# Allegro board 038RT-9068CJK8E-A100_0921_1.brd (continued)
## Routing (per net, layer and track width the routed paths; a pad name or vN(x,y) marks a point on that pad's centre or on a via; arc(x,y) is an arc through that point) (continued)
  L03_SIGNAL w0.145: v1(428.89,258.91) 428.01,259.78 416.58,259.78 414.62,261.75 412.99,261.75 412.92,261.82
S3_SPI_SO: length 19.1
  L03_SIGNAL w0.102: v1(410.1,264.62) 410.5,264.22 412.92,264.22
  L03_SIGNAL w0.145: 412.92,264.22 428.65,264.22 v1(428.89,263.99)
S3_SPI_VDDIO:
  vias: v1(394.65,247.71) v1(394.65,247.07) v1(409.3,262.22)
S3_SW_CTRL: length 540
  L19_SIGNAL w0.105: S3_SW_CTRL.2 661.47,151.71 v2(661.47,163.9) 662.04,164.47 662.04,171.06 v2(661.47,171.63)
  L21_SIGNAL w0.105: SLOT1-DOWN.B6 420.99,103.42 431.61,103.42 434.79,100.23 434.79,90.24 446.74,78.29 533.69,78.29 599.71,144.31 656.45,144.31 657.72,145.58 S3_SW_CTRL.2
  L44_SIGNAL w0.105: v2(664.42,354.89) 663.61,354.08 662.14,354.08 661.15,353.09 657.83,353.09 656.63,351.89 656.63,348.73 657.98,347.39 v2(659.18,347.39) v2(659.18,335.84) 659.75,335.27 659.75,330.86 659.18,330.29 v2(659.18,328.34) 658.02,327.18 658.02,321.16 662.59,316.59 662.59,282.47 663.33,281.74 663.33,270.59 662.62,269.88 662.62,231.34 663.41,230.56 663.41,211.89 661.47,209.95 v2(661.47,171.63) ; S3_SW_CTRL.2 657.72,149.07 661.81,153.16 661.81,163.57 v2(661.47,163.9)
  BOTTOM w0.115: UNK3U6.10 659.97,171.4 660.21,171.63 v2(661.47,171.63) ; UNK3U17.25 662.74,354.39 663.04,354.09 663.63,354.09 v2(664.42,354.89) ; v2(659.18,347.39) 659.73,346.84 660.57,346.84 660.63,346.89 UNK3U17.10 ; v2(659.18,335.84) 660.31,335.84 660.81,335.34 UNK3U18.25 ; UNK3U18.10 659.68,327.84 v2(659.18,328.34) ; UNK3U6.25 v2(661.47,163.9)
S3_SWR1_EN: length 3.8
  TOP w0.305: UNK3CS5.1 UNK3R548.2 572.49,450.26 571.6,450.26 571.3,450.56 UNK3SWR1.7
S3_SWR1_FB: length 15.1
  TOP w0.305: UNK3RB8.1 UNK3RB7.2 UNK3CS2.2 ; UNK3RB8.1 573.09,454.04 574.11,455.05 577.72,455.05 579.3,453.47 SG3_SWR1_FB.1 ; UNK3RB8.1 572.44,453.47 UNK3SWR1.1
S3_SWR1_LX: length 1.6
  TOP w0.305: 570.8,449.28 UNK3SWR1.6
S3_SWR1_PG: length 2.1
  TOP w0.305: UNK3SWR1.2 571.3,453.21 571.87,453.78 UNK3RS6.2
S3_SWR1_VIN: length 4.2
  TOP w0.305: UNK3RS9.2 569.59,456.01 570.8,454.8 UNK3SWR1.3
S3_TAPSL0: length 345.8
  L17_SIGNAL w0.102: v1(398.9,263.02) 398.5,263.42 397.68,263.42
  L17_SIGNAL w0.105: 397.68,263.42 397.36,263.42 396.43,264.35 390.12,264.35 388.85,265.62 388.85,267.76 388.59,268.02 387.66,268.02 387.55,268.13 387.55,274.27 387.08,274.73 387.08,275.48 382.2,280.36 382.2,293.19 389.65,300.65 473.7,300.65 513.46,340.41 513.46,357.1 547.49,391.13 547.49,408.4 561.7,422.61 561.7,432.85 563.04,434.19 571.01,434.19 571.88,433.32 571.88,420.62 574.45,418.05 584.81,418.05 v2(586.77,420.01)
S3_TAPSL0_HIGH: length 2.7
  BOTTOM w0.115: UNK3R342.1 S3_TAPSL0.1
S3_TAPSL0_LOW: length 2.7
  BOTTOM w0.115: UNK3R343.1 S3_TAPSL0.3
S3_TAPSL1: length 338.1
  L17_SIGNAL w0.102: v1(398.9,262.22) 398.5,262.62 397.68,262.62
  L17_SIGNAL w0.105: v2(576.61,420.01) 575.43,421.19 572.91,421.19 572.5,421.6 572.5,433.76 571.47,434.8 561.75,434.8 560.78,433.84 560.78,423.27 545.87,408.36 545.87,390.64 512.66,357.43 512.66,340.74 473.36,301.45 388.81,301.45 381.61,294.25 381.61,278.72 385.63,274.71 386.32,274.71 386.92,274.11 386.92,264.44 388.74,262.62 397.68,262.62
S3_TAPSL1_HIGH: length 2.7
  BOTTOM w0.115: UNK3R344.1 S3_TAPSL1.1
S3_TAPSL1_LOW: length 2.7
  BOTTOM w0.115: UNK3R345.1 S3_TAPSL1.3
S3_TCT: length 9.9
  TOP w0.115: UNK3T12.10 v2(639.8,341.39) ; UNK3C171.1 v2(636.62,341.39) ; UNK3T12.15 v2(633.45,341.39)
  L03_SIGNAL w0.145: v2(633.45,341.39) v2(636.62,341.39) v2(639.8,341.39)
S3_TDO: length 22.9
  L03_SIGNAL w0.102: v1(410.1,267.82) 410.5,267.42 412.92,267.42
  L03_SIGNAL w0.145: 412.92,267.42 412.99,267.35 413.88,267.35 415.03,268.5 431.49,268.5 v1(432.06,269.07)
S3_U1_FE_MDI+: length 9.5
  TOP w0.105: 639.56,342.28 639.56,344.86 639.91,345.2 639.91,347.37 639.52,347.76 UNK3K56.4
  TOP w0.115: UNK3T12.11 638.53,341.24 639.56,342.28
S3_U1_FE_MDI-: length 9.5
  TOP w0.105: UNK3K56.5 640.76,347.76 640.38,347.37 640.38,345.01 640.03,344.66 640.03,342.28
  TOP w0.115: 640.03,342.28 641.07,341.24 UNK3T12.9
S3_U1_FE_MDIX+: length 9.5
  TOP w0.105: UNK3K52.4 632.48,347.76 632.87,347.37 632.87,345.01 633.21,344.66 633.21,342.28
  TOP w0.115: 633.21,342.28 632.18,341.24 UNK3T12.16
S3_U1_FE_MDIX-: length 9.5
  TOP w0.105: 633.68,342.28 633.68,344.86 633.33,345.2 633.33,347.37 633.72,347.76 UNK3K52.5
  TOP w0.115: UNK3T12.14 634.72,341.24 633.68,342.28
S3_U1_P0_MDI+: length 13.3
  BOTTOM w0.105: UNK3T7.3 370.65,266.35 371.39,266.35 372,265.73 372,265.36 372.53,264.83 381.11,264.83 381.21,264.93 UNK3K60.4
S3_U1_P0_MDI-: length 13.3
  BOTTOM w0.105: UNK3K60.5 381.21,264.26 381.11,264.36 372.34,264.36 371.54,265.17 371.54,265.54 371.19,265.88 370.65,265.88 UNK3T7.4
S3_U1_P1_MDI+: length 14
  BOTTOM w0.105: UNK3T8.3 358.37,262.33 357.32,262.33 356.73,262.92 356.73,264.15 356.51,264.36 347.9,264.36 347.8,264.26 UNK3K64.4
S3_U1_P1_MDI-: length 14
  BOTTOM w0.105: UNK3T8.4 358.36,262.8 357.51,262.8 357.19,263.11 357.19,264.34 356.7,264.83 347.9,264.83 347.8,264.93 UNK3K64.5
S3_U1_P2_GIGA_MDI+: length 2.6
  BOTTOM w0.105: 407.43,282.05 407.43,283.39
  BOTTOM w0.115: 407.43,283.39 UNK3C385.1 ; UNK3T18.2 407.43,282.05
S3_U1_P2_GIGA_MDI-: length 2.6
  BOTTOM w0.105: 406.96,282.05 406.96,283.39
  BOTTOM w0.115: UNK3T18.1 406.96,282.05 ; 406.96,283.39 UNK3C384.1
S3_U1_P3_GIGA_MDI+: length 2.6
  BOTTOM w0.105: 414.03,282.05 414.03,283.39
  BOTTOM w0.115: 414.03,283.39 UNK3C413.1 ; UNK3T23.2 414.03,282.05
S3_U1_P3_GIGA_MDI-: length 2.6
  BOTTOM w0.105: 413.57,282.05 413.57,283.39
  BOTTOM w0.115: 413.57,283.39 UNK3C412.1 ; UNK3T23.1 413.57,282.05
S3_U1_P5_MDI+: length 13.8
  BOTTOM w0.105: UNK3T17.3 370.65,273.97 371.39,273.97 372,273.35 372,272.47 372.53,271.94 381.11,271.94 381.21,272.05 UNK3K130.4
S3_U1_P5_MDI-: length 13.8
  BOTTOM w0.105: UNK3K130.5 381.21,271.37 381.11,271.48 372.34,271.48 371.54,272.28 371.54,273.16 371.19,273.5 370.65,273.5 UNK3T17.4
S3_U1_P6_MDI+: length 13.5
  BOTTOM w0.105: UNK3K140.4 347.8,271.37 347.9,271.48 356.48,271.48 356.81,271.15 356.81,270.4 357.25,269.95 358.37,269.95 UNK3T15.3
S3_U1_P6_MDI-: length 13.5
  BOTTOM w0.105: UNK3T15.4 358.36,270.42 357.44,270.42 357.27,270.59 357.27,271.34 356.67,271.94 347.9,271.94 347.8,272.05 UNK3K140.5
S3_U2_FE_MDI+: length 182.2
  TOP w0.105: 639.56,328.28 639.56,329.07
  TOP w0.115: 639.56,329.07 638.53,330.1 UNK3T12.6 ; v1(639.47,328.18) 639.56,328.28
  L40_SIGNAL w0.1: v1(656.41,170.53) 656.45,170.53 656.65,170.33 658.63,170.33 658.73,170.43 658.73,170.65 658.83,170.75 659.02,170.75 659.13,170.64 659.13,170.43 659.23,170.33 662.19,170.33 662.69,170.83 662.69,266.73 653.6,275.82 653.6,316.18 643.25,326.52 640.35,326.52 639.61,327.25 639.61,328.03 v1(639.47,328.18)
  BOTTOM w0.105: v1(656.41,170.53) 656.56,170.38 659.01,170.38 UNK3U6.12
S3_U2_FE_MDI-: length 182.2
  TOP w0.105: 640.03,328.28 640.03,329.07
  TOP w0.115: v1(640.13,328.18) 640.03,328.28 ; UNK3T12.8 641.07,330.1 640.03,329.07
  L40_SIGNAL w0.1: v1(640.13,328.18) 639.98,328.03 639.98,327.41 640.5,326.89 643.41,326.89 653.96,316.33 653.96,275.97 663.05,266.88 663.05,170.68 662.34,169.97 656.61,169.97 v1(656.41,169.77)
  BOTTOM w0.105: v1(656.41,169.77) 656.56,169.92 659.01,169.92 UNK3U6.13
S3_U2_FE_MDIX+: length 177.9
  TOP w0.105: 633.21,328.28 633.21,329.07
  TOP w0.115: v1(633.12,328.18) 633.21,328.28 ; UNK3T12.1 632.18,330.1 633.21,329.07
  L40_SIGNAL w0.1: v1(633.12,328.18) 633.26,328.03 633.26,327.25 635.34,325.18 641.52,325.18 648.51,318.19 648.51,278.49 648.13,278.11 648.13,260.75 657.39,251.48 657.39,236.33 659.3,234.42 659.3,225.82 658.52,225.04 658.52,181.57 656.61,179.66 656.61,176.27 656.51,176.17 656.38,176.17 656.28,176.07 656.28,175.87 656.38,175.77 656.51,175.77 656.61,175.67 656.61,175.47 656.51,175.37 656.38,175.37 656.28,175.27 656.28,175.07 656.38,174.97 656.51,174.97 656.61,174.87 656.61,173.63 656.51,173.53 v1(656.41,173.53)
  BOTTOM w0.105: v1(656.41,173.53) 656.56,173.38 659.01,173.38 UNK3U6.6
S3_U2_FE_MDIX-: length 177.9
  TOP w0.105: 633.68,328.28 633.68,329.07
  TOP w0.115: 633.68,329.07 634.72,330.1 UNK3T12.3 ; v1(633.78,328.18) 633.68,328.28
  L40_SIGNAL w0.1: v1(633.78,328.18) 633.63,328.03 633.63,327.41 635.49,325.54 641.67,325.54 648.87,318.34 648.87,278.34 648.49,277.96 648.49,260.9 657.76,251.63 657.76,236.48 659.66,234.57 659.66,225.67 658.88,224.89 658.88,181.42 656.98,179.51 656.98,173.33 v1(656.41,172.77)
  BOTTOM w0.105: UNK3U6.7 659.01,172.92 656.56,172.92 v1(656.41,172.77)
S3_U2_P0_MDI+: length 2.7
  BOTTOM w0.105: UNK3C195.1 364.44,266.35 365.92,266.35 UNK3T7.2
S3_U2_P0_MDI-: length 2.7
  BOTTOM w0.105: UNK3T7.1 365.91,265.89 364.44,265.89 UNK3C196.1
S3_U2_P1_MDI+: length 2.7
  BOTTOM w0.105: UNK3C198.1 364.57,262.33 363.09,262.33 UNK3T8.2
S3_U2_P1_MDI-: length 2.7
  BOTTOM w0.105: UNK3C199.1 364.57,262.8 363.1,262.8 UNK3T8.1
S3_U2_P2_GIGA_MDI+: length 270.1
  L46_SIGNAL w0.136: v3(641.7,273.9) 641.6,274.01 640.42,274.01 640.26,273.85 640.26,273.61 640.1,273.45 639.87,273.45 639.71,273.61 639.71,273.85 639.55,274.01 638.31,274.01 636.29,276.03 636.29,288.01 634.01,290.29 532.57,290.29 519.75,303.11 421.04,303.11 410.78,292.84 410.78,288.7 409.9,287.83 407.57,287.83 407.42,287.67 407.42,287.22 407.56,287.08 v3(408.21,287.08)
  BOTTOM w0.105: v3(641.7,273.9) 641.8,274 642.19,274 643.39,272.8 644.91,272.8 UNK3K144.11 ; 407.43,286.03 407.43,286.3
  BOTTOM w0.115: UNK3C385.2 407.43,286.03 ; 407.43,286.3 v3(408.21,287.08)
S3_U2_P2_GIGA_MDI-: length 270.1
  L46_SIGNAL w0.136: v3(406.18,287.08) 406.83,287.08 406.97,287.22 406.97,287.86 407.39,288.28 409.71,288.28 410.32,288.89 410.32,293.03 420.85,303.56 519.94,303.56 532.75,290.74 634.19,290.74 636.74,288.2 636.74,276.22 638.5,274.46 641.6,274.46 v3(641.7,274.56)
  BOTTOM w0.105: 406.96,286.03 406.96,286.3 ; UNK3K144.12 644.91,273.26 643.59,273.26 642.38,274.47 641.8,274.47 v3(641.7,274.56)
  BOTTOM w0.115: 406.96,286.3 v3(406.18,287.08) ; UNK3C384.2 406.96,286.03
S3_U2_P2_RC: length 4.8
  BOTTOM w0.115: UNK3R454.2 408.21,290.24 UNK3R456.1 UNK3C391.1 406.18,290.24 UNK3R455.2
S3_U2_P3_GIGA_MDI+: length 264.8
  L46_SIGNAL w0.136: v3(414.82,287.08) 414.16,287.08 414.02,287.22 414.02,287.66 414.16,287.8 415.93,287.8 427.93,299.8 517.78,299.8 529.2,288.38 558.53,288.38 561.38,285.54 564.77,285.54 565.73,286.51 571.52,286.51 572.37,287.36 575,287.36 575.98,288.34 632.66,288.34 634.12,286.88 634.12,271.46 637.62,267.97 639.86,267.97 640.01,267.81 640.01,267.56 640.17,267.4 640.4,267.4 640.56,267.56 640.56,267.81 640.72,267.97 642.13,267.97 v3(642.24,267.86)
  BOTTOM w0.105: UNK3K144.2 644.91,268.3 644.19,268.3 643.85,267.96 642.33,267.96 v3(642.24,267.86) ; 414.03,286.03 414.03,286.3
  BOTTOM w0.115: 414.03,286.3 v3(414.82,287.08) ; UNK3C413.2 414.03,286.03
S3_U2_P3_GIGA_MDI-: length 264.8
  L46_SIGNAL w0.136: v3(642.24,268.52) 642.13,268.42 637.8,268.42 634.57,271.65 634.57,287.07 632.85,288.8 575.8,288.8 574.81,287.81 572.18,287.81 571.33,286.96 565.55,286.96 564.58,285.99 561.56,285.99 558.72,288.84 529.39,288.84 517.97,300.25 427.74,300.25 415.74,288.25 413.97,288.25 413.57,287.85 413.57,287.22 413.44,287.08 v3(412.78,287.08)
  BOTTOM w0.105: 413.57,286.03 413.57,286.3 ; UNK3K144.3 644.91,268.76 643.99,268.76 643.66,268.42 642.33,268.42 v3(642.24,268.52)
  BOTTOM w0.115: UNK3C412.2 413.57,286.03 ; 413.57,286.3 v3(412.78,287.08)
S3_U2_P3_RC: length 4.8
  BOTTOM w0.115: UNK3R499.2 412.78,290.24 UNK3C418.1 UNK3R500.1 414.82,290.24 UNK3R498.2
S3_U2_P5_MDI+: length 2.7
  BOTTOM w0.105: UNK3C383.1 364.44,273.97 365.92,273.97 UNK3T17.2
S3_U2_P5_MDI-: length 2.7
  BOTTOM w0.105: UNK3T17.1 365.91,273.51 364.44,273.51 UNK3C381.1
S3_U2_P6_MDI+: length 2.7
  BOTTOM w0.105: UNK3T15.2 363.09,269.95 364.57,269.95 UNK3C376.1
S3_U2_P6_MDI-: length 2.7
  BOTTOM w0.105: UNK3T15.1 363.1,270.42 364.57,270.42 UNK3C377.1
S3_U3_FE_MDI+: length 55.7
  BOTTOM w0.105: 674.71,184 668.31,184 666.78,182.48 666.78,173.54 666.57,173.32 663.51,173.32 663.25,173.58 663.25,182.22 661.47,184 658.3,184 654.92,180.63 654.92,172.21 654.09,171.38 651.34,171.38 UNK3U6.55
  BOTTOM w0.115: 674.71,184 676.48,185.77 UNK3CON1.3
S3_U3_FE_MDI-: length 55.7
  BOTTOM w0.105: 675.22,183.54 668.5,183.54 667.25,182.29 667.25,173.34 666.76,172.86 663.31,172.86 662.78,173.39 662.78,182.03 661.28,183.54 658.49,183.54 655.39,180.44 655.39,172.02 654.28,170.92 651.34,170.92 UNK3U6.54
  BOTTOM w0.115: UNK3CON1.6 675.24,182.5 675.47,182.72 675.47,183.29 675.22,183.54
S3_U3_FE_MDIX+: length 37.2
  BOTTOM w0.105: 675.38,187.75 675.38,186.83 674.63,186.08 658.09,186.08 649.29,177.27 649.29,174.79 649.69,174.38 651.3,174.38 UNK3U6.61
  BOTTOM w0.115: 675.38,187.75 UNK3CON1.1
S3_U3_FE_MDIX-: length 37.2
  BOTTOM w0.105: 674.91,187.47 674.91,187.02 674.44,186.54 657.9,186.54 648.82,177.47 648.82,174.6 649.5,173.92 651.3,173.92 UNK3U6.60
  BOTTOM w0.115: 673.94,187.58 674,187.63 674.75,187.63 674.91,187.47
S3_U3_P0_MDI+: length 402.7
  L09_SIGNAL w0.1: v2(664.42,352.26) 664.22,352.46 662.39,352.46 661.55,353.29 661.55,354.65 661.44,354.77 661.23,354.77 661.12,354.88 661.12,355.05 661.23,355.17 661.44,355.17 661.55,355.28 661.55,355.45 661.44,355.57 661.23,355.57 661.12,355.68 661.12,355.85 661.23,355.97 661.44,355.97 661.55,356.08 661.55,369.48 655.25,375.79 603.93,375.79 576.26,348.12 536.79,348.12 519.27,330.6 511.3,330.6 483.56,302.85 362.43,302.85 357.25,297.68 357.25,277.5 354.02,274.26 354.02,269.31 354.8,268.52 357.88,268.52 360.1,266.3 360.96,266.3 361.06,266.4 v1(361.06,266.82)
  BOTTOM w0.105: v2(664.42,352.26) 664.27,352.41 661.82,352.41 UNK3U17.21 ; UNK3C195.2 361.8,266.35 361.53,266.35 v1(361.06,266.82)
S3_U3_P0_MDI-: length 402.7
  L09_SIGNAL w0.1: v1(361.06,265.42) 361.06,265.84 360.96,265.94 359.95,265.94 357.73,268.16 354.65,268.16 353.65,269.16 353.65,274.41 356.89,277.65 356.89,297.83 362.28,303.22 483.41,303.22 511.15,330.96 519.12,330.96 536.64,348.48 576.11,348.48 603.78,376.15 655.4,376.15 661.92,369.63 661.92,353.44 662.54,352.82 664.22,352.82 v2(664.42,353.02)
  BOTTOM w0.105: UNK3C196.2 361.8,265.89 361.53,265.89 v1(361.06,265.42) ; UNK3U17.22 661.82,352.87 664.27,352.87 v2(664.42,353.02)
S3_U3_P0_RC: length 3.7
  BOTTOM w0.115: UNK3R150.2 UNK3R2.1 UNK3C194.1 UNK3R149.2
S3_U3_P1_MDI+: length 378.7
  L09_SIGNAL w0.1: v1(367.95,261.86) 367.95,262.28 368.05,262.38 368.73,262.38 369.29,262.94 369.29,264.72 364.13,269.88 361.54,269.88 359,272.42 359,276.29 360.78,278.08 360.78,290.63 369.96,299.81 483.03,299.81 512.04,328.83 522.69,328.83 538.72,344.85 578.69,344.85 604,370.16 644.51,370.16 657.42,357.25 657.42,356.09 658.06,355.46 658.98,355.46 v2(659.18,355.26)
  BOTTOM w0.105: v1(367.95,261.86) 367.48,262.33 367.21,262.33 UNK3C198.2 ; v2(659.18,355.26) 659.33,355.41 661.78,355.41 UNK3U17.27
S3_U3_P1_MDI-: length 378.7
  L09_SIGNAL w0.1: v1(367.95,263.26) 367.95,262.85 368.05,262.75 368.58,262.75 368.92,263.09 368.92,264.57 363.98,269.52 361.38,269.52 358.63,272.27 358.63,276.45 360.41,278.23 360.41,290.78 369.81,300.18 482.87,300.18 511.89,329.19 522.54,329.19 538.57,345.22 578.54,345.22 603.85,370.53 644.66,370.53 657.79,357.4 657.79,356.24 658.21,355.82 658.98,355.82 v2(659.18,356.02)
  BOTTOM w0.105: UNK3C199.2 367.21,262.8 367.48,262.8 v1(367.95,263.26) ; UNK3U17.28 661.78,355.87 659.33,355.87 v2(659.18,356.02)
S3_U3_P1_RC: length 3.7
  BOTTOM w0.115: UNK3R155.2 UNK3C197.1 UNK3R3.1 UNK3R156.2
S3_U3_P2_GIGA_MDI+: length 25.7
  BOTTOM w0.105: UNK3K144.29 648.93,272.3 652.08,272.3 652.32,272.54 654.75,272.54 655.22,273.01 655.22,276.46 655.33,276.56 655.92,276.56 656.12,276.37 656.12,270.29 656.49,269.92 657.87,269.92 658.3,270.35 658.3,275.04 658.41,275.15 659.52,275.15 UNK3K145.24
S3_U3_P2_GIGA_MDI-: length 25.7
  BOTTOM w0.105: UNK3K144.28 648.93,272.76 651.88,272.76 652.12,273 654.56,273 654.76,273.2 654.76,276.65 655.14,277.03 656.11,277.03 656.58,276.56 656.58,270.49 656.69,270.38 657.67,270.38 657.84,270.55 657.84,275.24 658.22,275.61 659.52,275.61 UNK3K145.25
S3_U3_P3_GIGA_MDI+: length 27.6
  L46_SIGNAL w0.136: v3(657.58,277.05) 657.48,277.15 656.91,277.15 656.38,276.62 656.38,275.85 658.75,273.48 658.75,266.77 656.77,264.8 650.58,264.8 649.95,265.42 649.95,266.51 v3(649.85,266.61)
  BOTTOM w0.105: v3(657.58,277.05) 657.68,277.15 659.52,277.15 UNK3K145.28 ; v3(649.85,266.61) 649.95,266.71 649.95,267.69 649.84,267.8 648.93,267.8 UNK3K144.38
S3_U3_P3_GIGA_MDI-: length 27.6
  L46_SIGNAL w0.136: v3(657.58,277.71) 657.48,277.61 656.73,277.61 655.93,276.81 655.93,275.66 658.3,273.29 658.3,266.96 656.59,265.25 650.76,265.25 650.41,265.61 650.41,266.51 v3(650.51,266.61)
  BOTTOM w0.105: v3(657.58,277.71) 657.68,277.61 659.52,277.61 UNK3K145.29 ; UNK3K144.37 648.93,268.26 650.04,268.26 650.41,267.89 650.41,266.71 v3(650.51,266.61)
S3_U3_P5_MDI+: length 359.6
  L09_SIGNAL w0.1: v2(659.18,350.76) 658.98,350.96 655.55,350.96 653.67,352.84 653.67,355.9 653.05,356.52 652.91,356.52 652.83,356.43 652.69,356.43 652.55,356.57 652.55,356.72 652.63,356.8 652.63,356.94 652.49,357.08 652.35,357.08 652.26,357 652.12,357 651.98,357.14 651.98,357.28 652.06,357.37 652.06,357.51 651.92,357.65 651.78,357.65 651.7,357.57 651.56,357.57 651.41,357.71 651.41,357.85 651.5,357.93 651.5,358.07 643.2,366.37 606.51,366.37 581.7,341.56 546.25,341.56 531.23,326.54 513.76,326.54 485.24,298.02 371.48,298.02 364.19,290.73 364.19,278.91 360.35,275.07 360.35,274.03 360.46,273.92 360.96,273.92 361.06,274.02 v1(361.06,274.44)
  BOTTOM w0.105: UNK3C383.2 361.8,273.97 361.53,273.97 v1(361.06,274.44) ; v2(659.18,350.76) 659.33,350.91 661.78,350.91 UNK3U17.18
S3_U3_P5_MDI-: length 359.6
  L09_SIGNAL w0.1: v1(361.06,273.04) 361.06,273.46 360.96,273.56 360.3,273.56 359.99,273.87 359.99,275.23 363.83,279.06 363.83,290.88 371.33,298.39 485.09,298.39 513.61,326.91 531.08,326.91 546.09,341.93 581.55,341.93 606.35,366.73 643.36,366.73 654.03,356.05 654.03,352.99 655.7,351.32 658.98,351.32 v2(659.18,351.52)
  BOTTOM w0.105: v2(659.18,351.52) 659.33,351.37 661.78,351.37 UNK3U17.19 ; UNK3C381.2 361.8,273.51 361.53,273.51 v1(361.06,273.04)
S3_U3_P5_RC: length 3.7
  BOTTOM w0.115: UNK3R439.2 UNK3R5.1 UNK3C379.1 UNK3R440.2
S3_U3_P6_MDI+: length 345.7
  L09_SIGNAL w0.1: v2(664.42,347.76) 664.22,347.96 657.5,347.96 656.66,348.8 655.32,348.8 645.34,358.78 613.35,358.78 587.7,333.13 552.36,333.13 530.31,311.08 500.72,311.08 485.95,296.3 389.58,296.3 380.27,286.99 380.27,282.84 371.49,274.06 371.49,272.82 368.67,270 368.05,270 367.95,269.9 v1(367.95,269.48)
  BOTTOM w0.105: v2(664.42,347.76) 664.27,347.91 661.82,347.91 UNK3U17.12 ; UNK3C376.2 367.21,269.95 367.48,269.95 v1(367.95,269.48)
S3_U3_P6_MDI-: length 345.7
  L09_SIGNAL w0.1: v1(367.95,270.88) 367.95,270.47 368.05,270.37 368.51,270.37 371.12,272.98 371.12,274.21 379.9,282.99 379.9,287.14 389.43,296.67 485.8,296.67 500.57,311.44 530.16,311.44 552.21,333.49 587.55,333.49 613.2,359.15 645.49,359.15 655.47,349.16 656.81,349.16 657.66,348.32 664.22,348.32 v2(664.42,348.52)
  BOTTOM w0.105: UNK3C377.2 367.21,270.42 367.48,270.42 v1(367.95,270.88) ; v2(664.42,348.52) 664.27,348.37 661.82,348.37 UNK3U17.13
S3_U3_P6_RC: length 3.7
  BOTTOM w0.115: UNK3R438.2 UNK3R10.1 UNK3C375.1 UNK3R441.2
S3_U4_GIGA_MDI+: length 14.7
  TOP w0.105: v1(665.15,276.55) 665.25,276.65 666.95,276.65 667.84,275.75 667.84,271.2 669.4,269.64 671.64,269.64 UNK3GPHY3.1
  BOTTOM w0.105: v1(665.15,276.55) 665.05,276.65 663.54,276.65 UNK3K145.12
S3_U4_GIGA_MDI-: length 14.7
  TOP w0.105: v1(665.15,277.21) 665.25,277.11 667.14,277.11 668.3,275.95 668.3,271.39 669.59,270.11 671.64,270.11 UNK3GPHY3.2
  BOTTOM w0.105: UNK3K145.11 663.54,277.11 665.05,277.11 v1(665.15,277.21)
S3_U4_P0_MDI+: length 312.1
  L15_SIGNAL w0.1: UNK3K240.3 551.9,429.85 551.8,429.75 551.8,421.68 529.85,399.73 428.16,399.73 407.65,379.22 407.65,314.56 394.39,301.29 383.91,301.29 373.76,291.13 373.76,276.32 372.14,274.7 372.14,265.64 372.99,264.78 376.71,264.78 376.81,264.88 UNK3K60.2
S3_U4_P0_MDI-: length 312.7
  L15_SIGNAL w0.1: UNK3K240.6 551.34,429.85 551.44,429.75 551.44,421.83 529.69,400.09 428.01,400.09 407.29,379.37 407.29,314.71 394.24,301.65 383.76,301.65 373.39,291.28 373.39,276.47 371.77,274.85 371.77,265.48 372.84,264.42 376.71,264.42 376.81,264.32 UNK3K60.7
S3_U4_P1_MDI+: length 322.3
  L15_SIGNAL w0.1: UNK3K64.2 352.2,264.32 352.1,264.42 344.15,264.42 342.47,266.09 342.47,273.65 346.83,278.01 346.83,285.86 367.71,306.74 390.86,306.74 403.62,319.5 403.62,380.4 427.82,404.59 520.41,404.59 537.47,421.66 537.47,426.55 537.37,426.65 UNK3K241.3
S3_U4_P1_MDI-: length 321.7
  L15_SIGNAL w0.1: UNK3K241.6 537.93,426.65 537.83,426.55 537.83,421.51 520.56,404.23 427.97,404.23 403.98,380.24 403.98,319.35 391.01,306.38 367.86,306.38 347.19,285.71 347.19,277.86 342.84,273.5 342.84,266.24 344.3,264.78 352.1,264.78 352.2,264.88 UNK3K64.7
S3_U4_P2_R_1: length 18.2
  TOP w0.508: UNK3GPHY2.G3 UNK3GPHY2.G1 674.09,291.05 674.09,286.8 UNK3GPHY2.G2 UNK3R542.2
S3_U4_P2_R_2: length 21.8
  TOP w0.508: UNK3GPHY2.G5 682.57,292.82 679.31,289.56 UNK3GPHY2.G4 ; UNK3GPHY2.G4 UNK3GPHY2.G6 ; UNK3GPHY2.G4 UNK3R543.2
S3_U4_P2_RC_1: length 1.3
  TOP w0.508: UNK3R542.1 UNK3C441.1
S3_U4_P2_RC_2: length 1.3
  TOP w0.508: UNK3R543.1 UNK3C442.1
S3_U4_P3_R_1: length 18.2
  TOP w0.508: UNK3R540.1 UNK3GPHY3.G2 674.13,267.79 674.13,271.96 UNK3GPHY3.G1 UNK3GPHY3.G3
S3_U4_P3_R_2: length 21.8
  TOP w0.508: UNK3GPHY3.G5 682.57,273.77 679.31,270.51 UNK3GPHY3.G4 ; UNK3GPHY3.G6 UNK3GPHY3.G4 ; UNK3GPHY3.G4 UNK3R541.2
S3_U4_P3_RC_1: length 1.3
  TOP w0.508: UNK3R540.2 UNK3C439.1
S3_U4_P3_RC_2: length 1.3
  TOP w0.508: UNK3R541.1 UNK3C440.1
S3_U4_P5_MDI+: length 305.4
  L15_SIGNAL w0.1: UNK3K130.2 376.81,271.99 376.71,271.89 375.7,271.89 375.24,272.35 375.24,290.52 384.53,299.81 395,299.81 409.14,313.94 409.14,377.83 429.55,398.24 534.56,398.24 558.15,421.83 558.15,429.75 558.25,429.85 UNK3K242.3
S3_U4_P5_MDI-: length 306
  L15_SIGNAL w0.1: UNK3K242.6 557.69,429.85 557.79,429.75 557.79,421.98 534.41,398.61 429.4,398.61 408.77,377.98 408.77,314.09 394.85,300.17 384.38,300.17 374.88,290.67 374.88,272.2 375.55,271.53 376.71,271.53 376.81,271.43 UNK3K130.7
S3_U4_P6_MDI+: length 315.6
  L15_SIGNAL w0.1: UNK3K140.2 352.2,271.43 352.1,271.53 346.93,271.53 346.07,272.39 346.07,274.58 348.46,276.97 348.46,284.25 368.87,304.66 393.02,304.66 405.2,316.84 405.2,379.46 427.75,402.02 523.44,402.02 543.82,422.39 543.82,426.55 543.72,426.65 UNK3K243.3
S3_U4_P6_MDI-: length 315
  L15_SIGNAL w0.1: UNK3K140.7 352.2,271.99 352.1,271.89 347.08,271.89 346.43,272.54 346.43,274.43 348.82,276.82 348.82,284.1 369.02,304.3 393.17,304.3 405.56,316.69 405.56,379.31 427.9,401.65 523.59,401.65 544.18,422.24 544.18,426.55 544.28,426.65 UNK3K243.6
S3_U4PI_P0_MDI+: length 45.7
  L13_SIGNAL w0.1: UNK3MQS1.1 686.33,349.53 686.43,349.43 687.61,349.43 688.11,349.94 688.11,351.66 687.48,352.29 681.01,352.29 680.15,353.16 680.15,359.16 679.9,359.41 674.88,359.41 674.61,359.14 674.61,355.36 675.08,354.89 678.25,354.89 678.74,354.4 678.74,353.16 678.22,352.64 676.64,352.64 676.46,352.47 676.46,352.31 676.29,352.14 676.04,352.14 675.86,352.31 675.86,352.47 675.69,352.64 675.44,352.64 675.26,352.47 675.26,352.31 675.09,352.14 674.84,352.14 674.66,352.31 674.66,352.47 674.48,352.64 673.47,352.64 v2(673.27,352.44)
  BOTTOM w0.105: v2(673.27,352.44) 673.13,352.59 671.29,352.59 670.61,351.91 669.53,351.91 UNK3U17.45
S3_U4PI_P0_MDI-: length 45.7
  L13_SIGNAL w0.1: UNK3MQS1.2 686.33,348.97 686.43,349.07 687.76,349.07 688.48,349.79 688.48,351.81 687.63,352.65 681.16,352.65 680.51,353.31 680.51,359.31 680.05,359.77 674.73,359.77 674.24,359.29 674.24,355.21 674.93,354.53 678.1,354.53 678.38,354.25 678.38,353.31 678.07,353.01 673.47,353.01 v2(673.27,353.21)
  BOTTOM w0.105: UNK3U17.44 669.53,352.37 670.42,352.37 671.1,353.06 673.13,353.06 v2(673.27,353.21)
S3_U4PI_P1_MDI+: length 31.5
  L13_SIGNAL w0.1: UNK3MQS1.10 683.79,349.53 683.69,349.43 679.86,349.43 679.33,348.89 679.08,348.89 678.97,349 678.72,349 678.54,348.83 678.54,348.58 678.65,348.47 678.65,348.22 678.48,348.04 678.23,348.04 678.12,348.15 677.87,348.15 677.69,347.98 677.69,347.73 677.8,347.62 677.8,347.37 675.84,345.41 670.59,345.41 669.93,346.08 669.93,354.32 670.56,354.96 671.93,354.96 v2(672.13,354.76)
  BOTTOM w0.105: v2(672.13,354.76) 671.98,354.91 669.53,354.91 UNK3U17.39
S3_U4PI_P1_MDI-: length 31.5
  L13_SIGNAL w0.1: v2(672.13,355.52) 671.93,355.32 670.41,355.32 669.56,354.47 669.56,345.92 670.44,345.05 675.99,345.05 680.01,349.07 683.69,349.07 683.79,348.97 UNK3MQS1.11
  BOTTOM w0.105: UNK3U17.38 669.53,355.37 671.98,355.37 v2(672.13,355.52)
S3_U4PI_P5_MDI+: length 68.8
  L11_SIGNAL w0.1: UNK3MQS1.3 686.33,344.45 686.43,344.35 688.12,344.35 688.22,344.45 688.22,351.93 687.81,352.34 681.19,352.34 679.88,353.64 679.88,359.06 675.57,363.37 667.83,363.37 666.97,362.51 666.97,359.73 667.96,358.74 673.73,358.74 675.17,357.31 675.17,353.75 677.22,351.69 677.22,350.7 676.48,349.96 675.65,349.96 675.48,349.78 675.48,349.63 675.3,349.45 675.05,349.45 674.87,349.63 674.87,349.78 674.7,349.96 674.45,349.96 674.27,349.78 674.27,349.63 674.1,349.45 673.85,349.45 673.67,349.63 673.67,349.78 673.5,349.96 672.33,349.96 v2(672.13,349.76)
  BOTTOM w0.105: UNK3U17.49 669.53,349.91 671.98,349.91 v2(672.13,349.76)
